# Altium PCB MB1419.PcbDoc (part 3 of 5)
Units mm, origin at the board's own origin, x right, y up, seen from the top; angles counter-clockwise.
Board outline 31 x 41 mm, 8 copper layers (Top Layer, Signal Layer 1, Signal Layer 2, Signal Layer 3, Signal Layer 4, Signal Layer 5, Signal Layer 6, Bottom Layer), stack 1.536 mm thick; 212 components, 125 nets, 637 pads, 2170 vias.
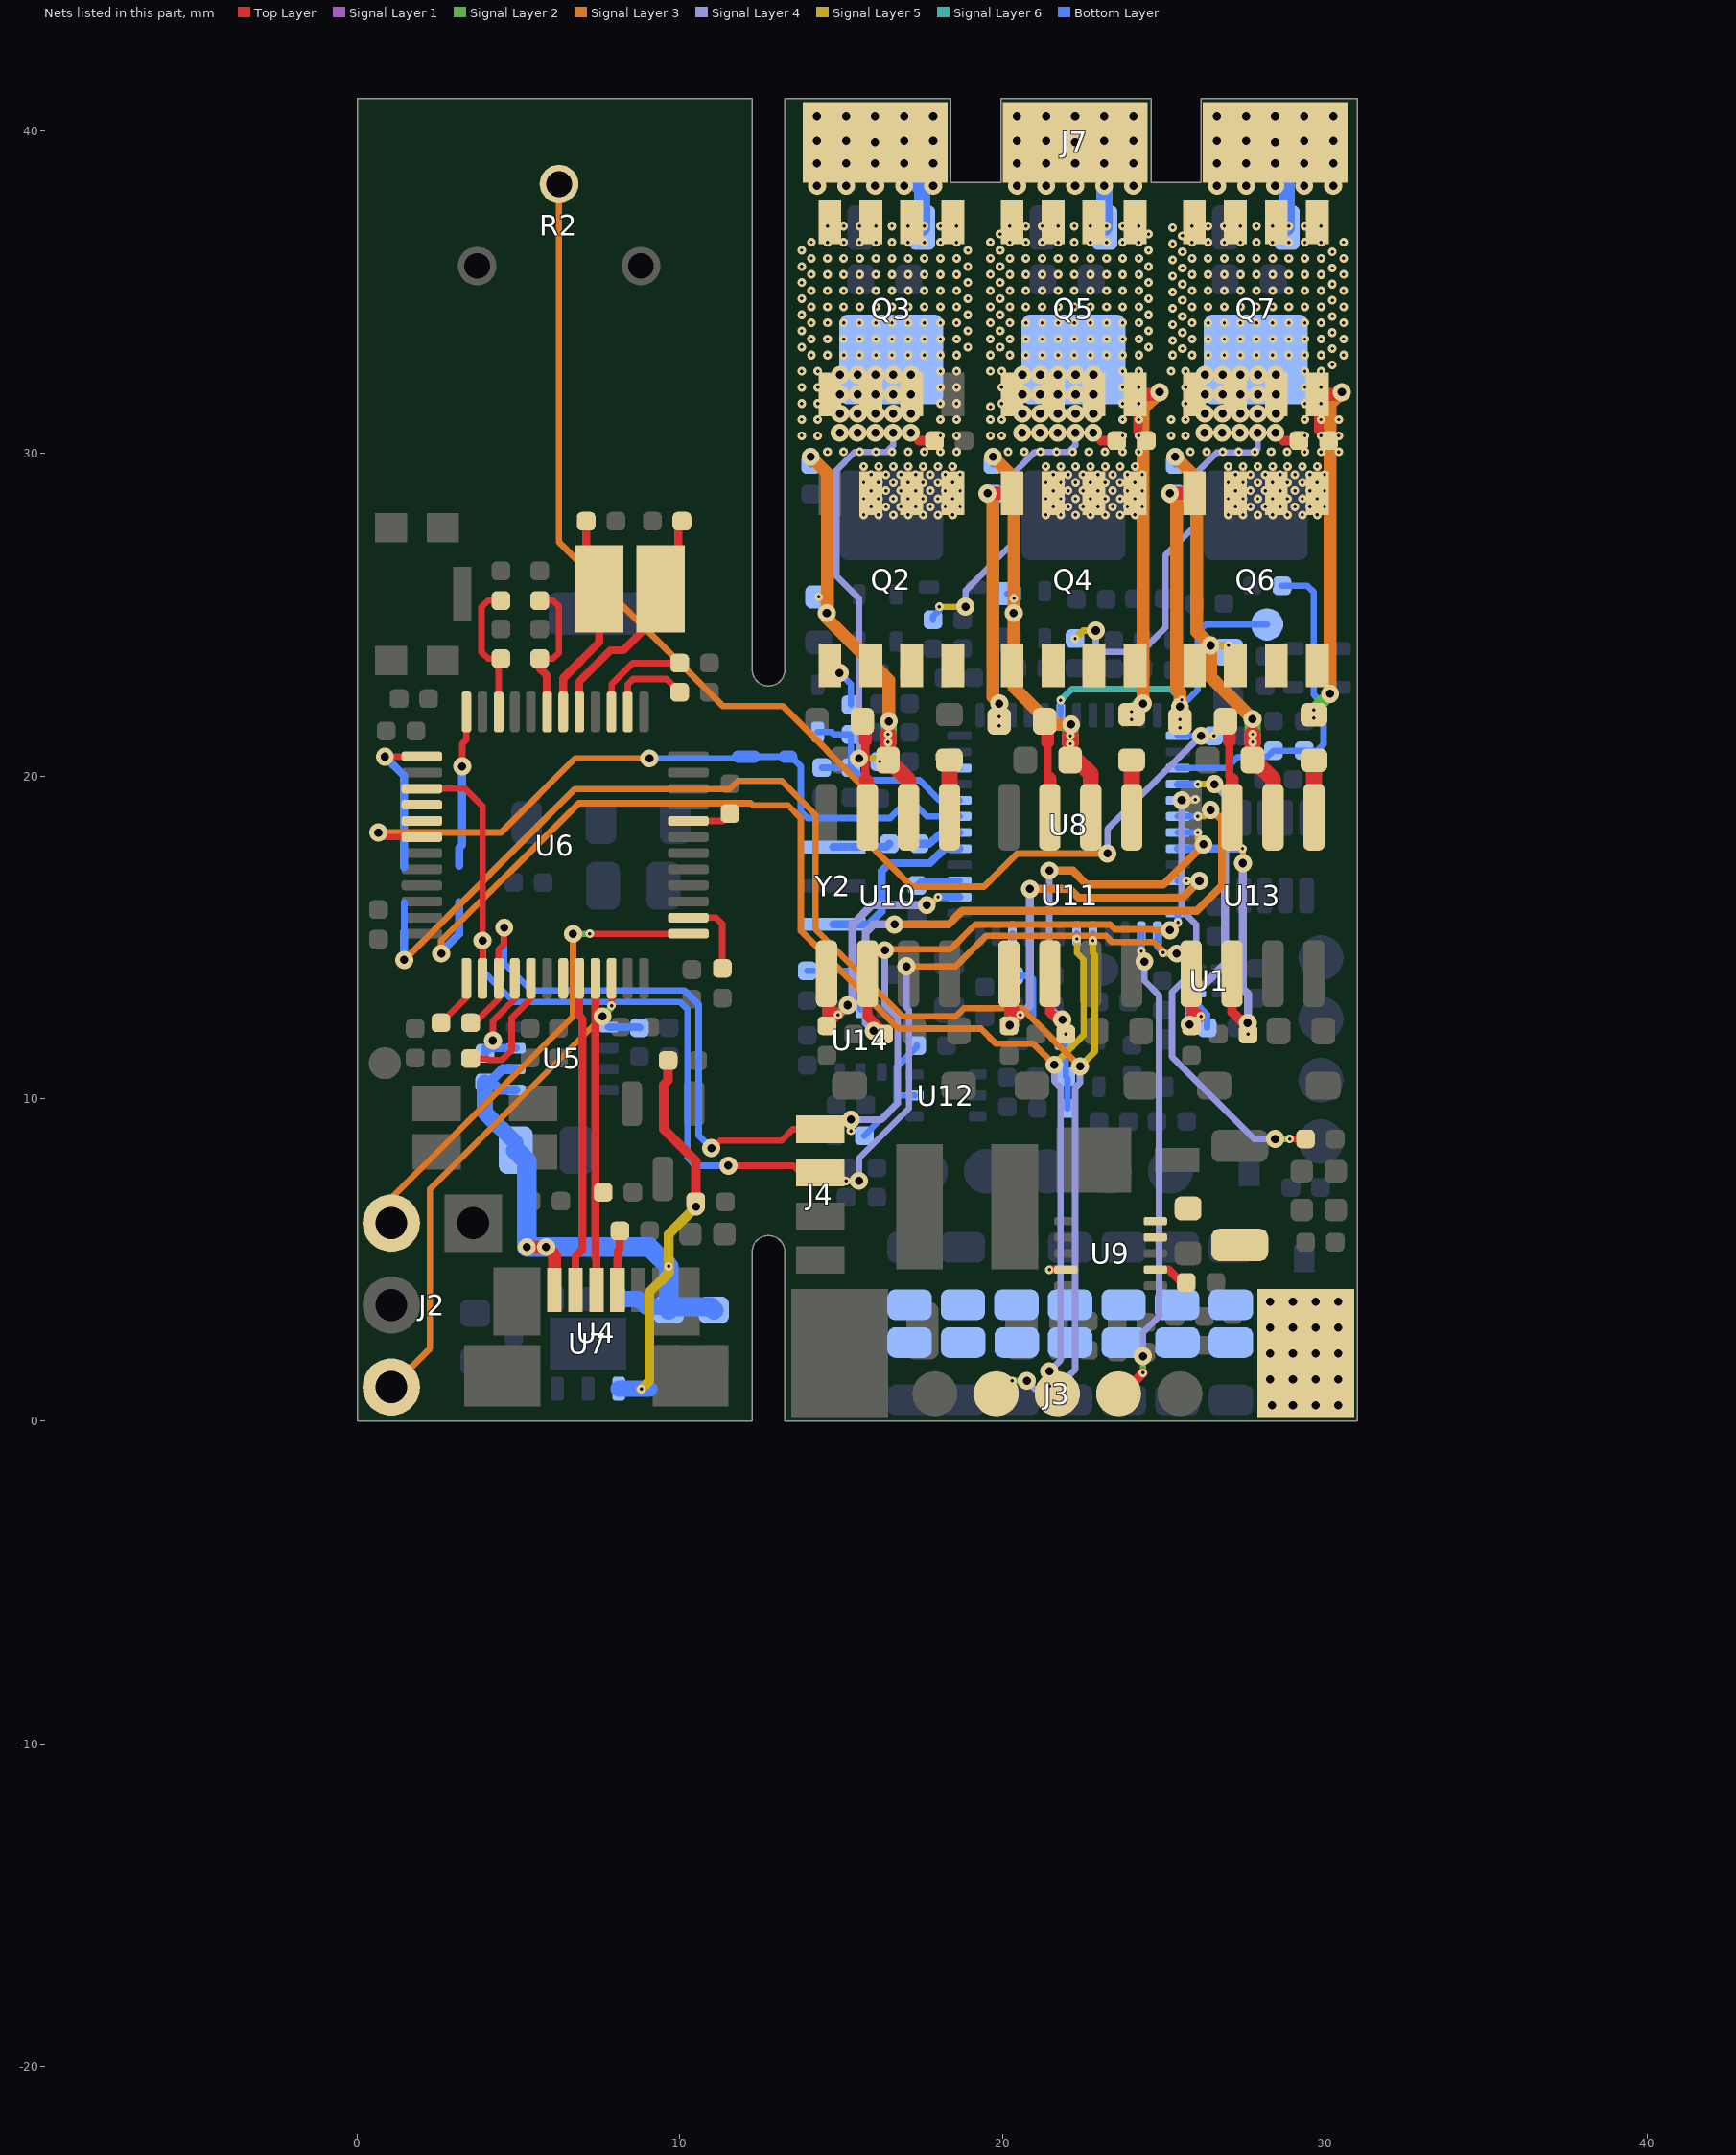
[diagram p9: the nets of this part, all layers, seen from the top]

## Via types
v1: diameter 0.27, hole 0.1, Signal Layer 6 to Bottom Layer, 499 vias
v2: diameter 0.27, hole 0.1, Signal Layer 1 to Signal Layer 2, 497 vias
v3: diameter 0.27, hole 0.1, Top Layer to Signal Layer 1, 484 vias
v4: diameter 0.27, hole 0.1, Signal Layer 5 to Signal Layer 6, 309 vias
v5: diameter 0.559, hole 0.254, Top Layer to Bottom Layer, 214 vias
v6: diameter 0.559, hole 0.254, Signal Layer 2 to Signal Layer 5, 155 vias
v7: diameter 0.254, hole 0.254, Top Layer to Bottom Layer, 12 vias

## Nets (pads, with @x,y where several pads share a name; then routed paths per layer and width w, separated by ;. In a path a pad name is that pad's centre, name@x,y a point inside that pad or via, vN(x,y) a via of type N, cw(c..) or ccw(c..) an arc to the next point about the centre after c; other vN are vias at no path point) (continued)
NetQ4_4: Q4.4 R40.2 R41.1 | length 8.4
  Top Layer w0.2: v2(19.895,21.555) R40.2@19.895,21.7
  Top Layer w0.4: v5(19.534,28.765) Q4.4@20.295,28.765
  Signal Layer 2 w0.2: v6@19.895,22.095 v6@19.9,22.1
  Signal Layer 2 w0.4: v2(19.895,21.555) v2(19.895,21.845) v6@19.895,22.095 ; v6@19.9,22.1 v6(19.9,22.25)
  Signal Layer 3 w0.4: v5(19.534,28.765) 19.7,28.599 19.7,22.45 v6(19.9,22.25)
  Bottom Layer w0.2: v5(19.534,28.765) 19.675,28.765 R41.1@19.7,28.74
  other v3: 19.895,21.555 19.895,21.845
NetQ5_4: Q5.4 R43.2 R45.1 | length 13.1
  Top Layer w0.2: v2(24,21.75) R43.2@24,21.905
  Top Layer w0.3: Q5.4@24.105,31.835 24.2,31.74 24.2,30.66 R45.1@24.46,30.4
  Top Layer w0.4: Q5.4@24.105,31.835 24.735,31.835 24.8,31.9 v5(24.866,31.9)
  Signal Layer 2 w0.4: v2(24,21.75) v2(24,22) 24.008,22.009 24.25,22.25 v6(24.35,22.25)
  Signal Layer 3 w0.4: v6(24.35,22.25) 24.35,31.384 v5(24.866,31.9)
  other v3: 24,21.75 24,22
NetQ6_4: Q6.4 R47.2 R48.1 | length 8.6
  Top Layer w0.2: v2(25.5,21.5) R47.2@25.5,21.7 R47.2@25.545,21.7
  Top Layer w0.4: v5(25.184,28.765) Q6.4@25.945,28.765
  Signal Layer 2 w0.4: v2(25.5,21.5) v2(25.5,21.75) v6(25.5,22.15)
  Signal Layer 3 w0.4: v5(25.184,28.765) 25.4,28.549 25.4,22.7 25.5,22.6 v6(25.5,22.15)
  Bottom Layer w0.2: v5(25.184,28.765) 25.325,28.765 R48.1@25.35,28.74
  other v3: 25.5,21.5 25.5,21.75
NetQ7_4: Q7.4 R50.2 R52.1 | length 13.1
  Top Layer w0.2: v2(29.65,21.8) 29.655,21.805 R50.2@29.655,21.9 R50.2@29.65,21.905 ; R52.1@30,30.51 30,30.5 30.1,30.4 R52.1@30.11,30.4
  Top Layer w0.3: Q7.4@29.755,31.835 29.8,31.79 29.8,30.71 30,30.51 R52.1@30.11,30.4
  Top Layer w0.4: Q7.4@29.755,31.835 30.385,31.835 30.45,31.9 v5(30.516,31.9)
  Signal Layer 2 w0.4: v2(29.65,21.8) v2(29.65,22.05) v6(30.15,22.55)
  Signal Layer 3 w0.4: v6@30.15,22.5 v6(30.15,22.55) 30.15,31.534 v5(30.516,31.9)
  other v3: 29.65,21.8 29.65,22.05
NetR7_2: R7.2 U4.4 | length 1.9
  Top Layer w0.25: U4.4@8.06,4.074 8.06,5.011 8.07,5.021 8.07,5.288 8.14,5.358 R7.2@8.14,5.9
NetR13_1: R13.1 U6.44 | length 1.4
  Top Layer w0.2: U6.44@10.26,18.61 11.32,18.61 R13.1@11.55,18.84
NetR14_1: R14.1 U5.5 | length 1
  Bottom Layer w0.25: U5.5@7.795,12.215 8.725,12.215 R14.1@8.74,12.2
NetR16_1: R16.1 U6.2 | length 2.7
  Top Layer w0.2: U6.2@8.38,21.99 8.38,22.847 8.54,23.007 9.583,23.007 R16.1@9.99,22.6
NetR17_1: R17.1 U6.3 | length 3.2
  Top Layer w0.2: U6.3@7.88,21.99 7.88,22.847 8.533,23.5 R17.1@9.99,23.5
NetR18_2: R18.2 U6.29 | length 3.9
  Top Layer w0.2: R18.2@3.51,11.24 4.027,11.24 4.067,11.2 4.48,11.2 4.78,11.5 4.78,12.498 5.38,13.098 U6.29@5.38,13.73
NetR19_1: R19.1 R22.1 U6.10 | length 4.4
  Top Layer w0.2: U6.10@4.38,21.99 4.38,23.57 R22.1@4.45,23.64 4.048,23.64 3.848,23.84 3.848,25.24 4.048,25.44 R19.1@4.45,25.44
NetR23_2: R23.2 U6.12 | length 4.9
  Top Layer w0.2: v5(3.25,20.3) 3.25,21.003 3.38,21.133 U6.12@3.38,21.99
  Bottom Layer w0.25: R23.2@3.15,17.22 3.15,17.767 3.25,17.867 v5(3.25,20.3)
NetR24_2: R24.2 U6.13 | length 4.8
  Top Layer w0.2: v5(0.85,20.6) 1.99,20.6 U6.13@2,20.61
  Bottom Layer w0.25: v5(0.85,20.6) 1.45,20 R24.2@1.45,17.22 1.45,17.17
NetR26_1: R26.1 U8.3 | length 1.4
  Bottom Layer w0.2: R26.1@17.35,16.61 17.49,16.75 U8.3@18.665,16.75
NetR27_1: R27.1 Y2.3 | length 1.8
  Bottom Layer w0.25: Y2.3@14.75,17.8 16.196,17.805 16.395,17.805 R27.1@16.49,17.9
NetR27_2: R27.2 U8.6 | length 1.4
  Bottom Layer w0.25: R27.2@17.41,17.9 17.721,17.9 18.121,18.25 U8.6@18.665,18.25
NetR32_1: R32.1 U9.7 | length 1.1
  Top Layer w0.25: U9.7@24.735,4.7 25.149,4.7 25.549,4.3 R32.1@25.69,4.3
NetR34_1: R34.1 U10.7 | length 3.1
  Top Layer w0.2: R34.1@15.655,21.7 R34.1@15.695,21.7
  Top Layer w0.25: 15.75,19.9 15.75,21.1
  Top Layer w0.4: R34.1@15.655,21.7 15.75,21.605 15.75,21.1 ; 15.75,19.9 15.815,19.835 U10.7@15.815,18.725
NetR38_1: R38.1 U10.5 | length 1.8
  Top Layer w0.5: R38.1@18.35,20.495 18.355,20.49 U10.5@18.355,18.725
NetR40_1: R40.1 U11.7 | length 3
  Top Layer w0.25: 21.4,21.05 21.4,19.984 21.465,19.919
  Top Layer w0.4: R40.1@21.305,21.7 21.4,21.605 21.4,21.05 ; U11.7@21.465,18.725 21.465,19.919
NetR42_1: R42.1 R46.1 U12.2 | length 4
  Bottom Layer w0.2: R42.1@15.71,8.85 16.715,9.855 16.715,10.1 ; U12.2@17.275,10.1 16.715,10.1 ; R46.1@17.34,11.65 17.34,11.604 16.715,10.979 16.715,10.1
NetR43_1: R43.1 U11.5 | length 1.8
  Top Layer w0.5: R43.1@24,20.495 24.005,20.49 U11.5@24.005,18.725
NetR47_1: R47.1 U13.7 | length 3.1
  Top Layer w0.25: 27.03,21.081 27.03,19.985 27.115,19.9
  Top Layer w0.4: R47.1@26.91,21.7 26.955,21.7 27.03,21.625 27.03,21.081 ; U13.7@27.115,18.725 27.115,19.9
NetR49_1: R49.1 R53.1 U14.2 | length 3
  Bottom Layer w0.2: R49.1@13.95,13.96 15.63,13.96 R53.1@15.74,13.85 15.632,13.742 15.632,13.314 15.6,13.282 U14.2@15.6,12.775
NetR50_1: R50.1 U13.5 | length 1.8
  Top Layer w0.5: U13.5@29.655,18.725 R50.1@29.655,20.49
NetU8_5: U8.5 Y2.1 | length 5.6
  Bottom Layer w0.25: Y2.1@14.75,15.4 15.85,15.4 16.25,15.8 16.25,17.05 16.5,17.3 17.75,17.3 18.2,17.75 U8.5@18.665,17.75
OP1_OUT: U8.10 | length 0.9
  Bottom Layer w0.2: 18.005,20.65 18.005,20.54 18.295,20.25 U8.10@18.665,20.25
OP2_OUT: U8.14
OP3_OUT: TP3.1 U8.18 | length 9.2
  Signal Layer 6 w0.2: v1(21.8,22.35) 22.15,22.7 25.21,22.7 v1(25.55,22.36)
  Bottom Layer w0.2: U8.18@21.8,21.885 v1(21.8,22.35) ; v1(25.55,22.36) 25.56,22.37 25.75,22.37 26.05,22.67 26.05,24.45 26.3,24.7 TP3.1@28.2,24.7
OSC_IN: C11.2 U6.5 Y1.1 | length 7.5
  Top Layer w0.25: U6.5@6.88,21.99 6.88,22.93 7.85,23.9 8.25,23.9 8.8,24.45 8.8,25.3 9.3,25.8 Y1.1@9.4,25.8 9.4,25.9 9.95,26.45 9.95,27.79 C11.2@10.06,27.9
OSC_OUT: C10.2 U6.6 Y1.2 | length 6.6
  Top Layer w0.25: U6.6@6.38,21.99 6.38,23.03 7.5,24.15 Y1.2@7.5,25.8 7.34,25.8 7.09,26.05 C10.2@7.09,27.9
OUT1: C43.2 J7.3 Q2.1 Q2.2 Q2.3 Q3.5 Q3.6 Q3.7 Q3.8 R35.2 R37.1 R61.1 U10.6 | length 20.5
  Top Layer w0.5: C43.2@16.445,20.5 C43.2@16.45,20.5 ; v2(16.45,21.3) v2(16.45,21.05) C43.2@16.45,20.5 ; U10.6@17.085,18.025 U10.6@17.085,18.725 17.085,19.865 C43.2@16.45,20.5
  Signal Layer 1 w0.2: v5(14.25,39.7) 14.75,39.7 14.75,39.694 14.706,39.65 ; 14.85,39.65 J7.3@16.05,39.65
  Signal Layer 2 w0.5: v2(16.45,21.05) v2(16.45,21.3) 16.474,21.324 v6(16.474,21.7)
  Signal Layer 3 w0.2: v6(14.55,25.05) 14.55,24.9 v6@14.571,24.879 ; 14.55,25.5 14.571,25.521 14.65,25.6 14.65,26.221 14.571,26.3
  Signal Layer 3 w0.4: v5(14.05,29.9) 14.571,29.379 14.571,26.3 14.571,25.521 14.571,24.879 16.474,22.976 v6(16.474,21.7)
  Signal Layer 5 w0.2: v4(14.3,25.555) 14.445,25.41 14.445,25.155 v6(14.55,25.05)
  Bottom Layer w0.2: R35.2@14.05,29.66 v5(14.05,29.9) ; v4(14.3,25.555) 14.355,25.5 14.445,25.5 R61.1@14.45,25.495
  Bottom Layer w0.5: J7.3@16.05,39.65 16.825,38.875 17.175,38.525 17.51,38.19 R37.1@17.51,37
  other v1: 14.3,25.555
  other v2: 14.573,30.05 15.073,30.05 15.573,30.05 16.073,30.05 16.573,30.05 17.073,30.05 17.573,30.05 18.073,30.05 18.573,30.05 13.773,30.55 14.273,30.55 18.073,30.55 18.573,30.55 13.773,31.05 14.273,31.05 18.073,31.05 18.573,31.05 13.773,31.55 14.273,31.55 18.073,31.55 18.573,31.55 13.773,32.05 14.273,32.05 18.073,32.05 18.573,32.05 13.773,32.55 14.273,32.55 18.073,32.55 18.573,32.55 14.073,33.05 14.573,33.05 15.073,33.05 15.573,33.05 16.073,33.05 16.573,33.05 17.073,33.05 17.573,33.05 18.073,33.05 18.573,33.05 13.773,33.3 18.923,33.3 14.073,33.55 14.573,33.55 15.073,33.55 15.573,33.55 16.073,33.55 16.573,33.55 17.073,33.55 17.573,33.55 18.073,33.55 18.573,33.55 13.773,33.8 18.923,33.8 14.073,34.05 14.573,34.05 15.073,34.05 15.573,34.05 16.073,34.05 16.573,34.05 17.073,34.05 17.573,34.05 18.073,34.05 18.573,34.05 13.773,34.3 18.923,34.3 14.073,34.55 14.573,34.55 15.073,34.55 15.573,34.55 16.073,34.55 16.573,34.55 17.073,34.55 17.573,34.55 18.073,34.55 18.573,34.55 13.773,34.8 18.923,34.8 14.073,35.05 14.573,35.05 15.073,35.05 15.573,35.05 16.073,35.05 16.573,35.05 17.073,35.05 17.573,35.05 18.073,35.05 18.573,35.05 13.773,35.3 18.923,35.3 14.073,35.55 14.573,35.55 15.073,35.55 15.573,35.55 16.073,35.55 16.573,35.55 17.073,35.55 17.573,35.55 18.073,35.55 18.573,35.55 13.773,35.8 18.923,35.8 14.073,36.05 14.573,36.05 15.073,36.05 15.573,36.05 16.073,36.05 16.573,36.05 17.073,36.05 17.573,36.05 18.073,36.05 18.573,36.05 13.773,36.3 18.923,36.3 14.073,36.55 14.573,36.55 15.073,36.55 15.573,36.55 16.073,36.55 16.573,36.55 17.073,36.55 17.573,36.55 18.073,36.55 18.573,36.55 14.573,37.05 15.073,37.05 15.573,37.05 16.073,37.05 16.573,37.05 17.073,37.05 17.573,37.05 18.073,37.05 18.573,37.05
  other v3: 16.45,21.05 16.45,21.3 15.692,28.097 16.153,28.097 16.612,28.097 17.073,28.097 17.532,28.097 17.992,28.097 18.453,28.097 15.923,28.347 16.382,28.347 16.842,28.347 17.303,28.347 17.762,28.347 18.222,28.347 18.683,28.347 15.692,28.597 16.153,28.597 16.612,28.597 17.073,28.597 17.532,28.597 17.992,28.597 18.453,28.597 15.923,28.847 16.382,28.847 16.842,28.847 17.303,28.847 17.762,28.847 18.222,28.847 18.683,28.847 15.692,29.097 16.153,29.097 16.612,29.097 17.073,29.097 17.532,29.097 17.992,29.097 18.453,29.097 15.923,29.347 16.382,29.347 16.842,29.347 17.303,29.347 17.762,29.347 18.222,29.347 18.683,29.347 15.692,29.597 16.153,29.597 16.612,29.597 17.073,29.597 17.532,29.597 17.992,29.597 18.453,29.597 14.573,33.55 15.073,33.55 15.573,33.55 16.073,33.55 16.573,33.55 17.073,33.55 17.573,33.55 18.073,33.55 18.573,33.55 14.573,34.05 15.073,34.05 15.573,34.05 16.073,34.05 16.573,34.05 17.073,34.05 17.573,34.05 18.073,34.05 18.573,34.05 14.573,34.55 15.073,34.55 15.573,34.55 16.073,34.55 16.573,34.55 17.073,34.55 17.573,34.55 18.073,34.55 18.573,34.55 14.573,35.05 15.073,35.05 15.573,35.05 16.073,35.05 16.573,35.05 17.073,35.05 17.573,35.05 18.073,35.05 18.573,35.05 14.573,35.55 15.073,35.55 15.573,35.55 16.073,35.55 16.573,35.55 17.073,35.55 17.573,35.55 18.073,35.55 18.573,35.55 14.573,36.05 15.073,36.05 15.573,36.05 16.073,36.05 16.573,36.05 17.073,36.05 17.573,36.05 18.073,36.05 18.573,36.05 14.573,36.55 15.073,36.55 15.573,36.55 16.073,36.55 16.573,36.55 17.073,36.55 17.573,36.55 18.073,36.55 18.573,36.55 14.573,37.05 15.073,37.05 15.573,37.05 16.073,37.05 16.573,37.05 17.073,37.05 17.573,37.05 18.073,37.05 18.573,37.05
  other v5: 14.25,38.3 15.15,38.3 16.05,38.3 16.95,38.3 17.85,38.3 14.25,39 15.15,39 16.05,39 16.95,39 17.85,39 15.15,39.7 16.95,39.7 17.85,39.7 14.25,40.45 15.15,40.45 16.05,40.45 16.95,40.45 17.85,40.45
OUT2: C52.2 J7.2 Q4.1 Q4.2 Q4.3 Q5.5 Q5.6 Q5.7 Q5.8 R41.2 R44.1 R62.1 U11.6 | length 18.1
  Top Layer w0.5: C52.2@22.095,20.5 C52.2@22.1,20.5 ; v2(22.1,21.25) v2(22.1,21) C52.2@22.1,20.5 ; U11.6@22.735,18.725 22.735,20.065 22.3,20.5 C52.2@22.1,20.5
  Signal Layer 2 w0.5: v2(22.1,21) 22.1,21.3 22.1,21.576 v6(22.124,21.6)
  Signal Layer 3 w0.2: v6(20.345,25.055) 20.345,25.995 20.35,26
  Signal Layer 3 w0.4: v5(19.7,29.9) 20.35,29.25 20.35,26 20.35,22.75 21.5,21.6 v6(22.124,21.6)
  Signal Layer 5 w0.2: v6(20.345,25.055) 20.345,25.5 v4(20.35,25.505)
  Bottom Layer w0.2: R41.2@19.7,29.66 v5(19.7,29.9) ; R62.1@20.15,25.655 20.2,25.655 v4(20.35,25.505)
  Bottom Layer w0.5: J7.2@22.25,39.65 23.025,38.875 23.16,38.74 R44.1@23.16,37
  other v1: 20.35,25.505
  other v2: 20.173,30.05 20.673,30.05 21.173,30.05 21.673,30.05 22.173,30.05 22.673,30.05 23.173,30.05 23.723,30.05 24.223,30.05 19.623,30.55 19.973,30.55 23.723,30.55 24.223,30.55 19.623,31.05 19.973,31.05 23.723,31.05 24.223,31.05 19.623,31.45 19.973,31.55 23.723,31.55 24.223,31.55 19.973,32.05 23.723,32.05 24.223,32.05 19.623,32.55 19.973,32.55 23.723,32.55 24.223,32.55 19.623,33.05 20.223,33.05 20.723,33.05 21.223,33.05 21.723,33.05 22.223,33.05 22.723,33.05 23.223,33.05 23.723,33.05 24.223,33.05 19.923,33.3 24.523,33.3 19.623,33.55 20.223,33.55 20.723,33.55 21.223,33.55 21.723,33.55 22.223,33.55 22.723,33.55 23.223,33.55 23.723,33.55 24.223,33.55 19.923,33.8 24.523,33.8 19.623,34.05 20.223,34.05 20.723,34.05 21.223,34.05 21.723,34.05 22.223,34.05 22.723,34.05 23.223,34.05 23.723,34.05 24.223,34.05 19.923,34.3 24.523,34.3 19.623,34.55 20.223,34.55 20.723,34.55 21.223,34.55 21.723,34.55 22.223,34.55 22.723,34.55 23.223,34.55 23.723,34.55 24.223,34.55 19.923,34.8 24.523,34.8 19.623,35.05 20.223,35.05 20.723,35.05 21.223,35.05 21.723,35.05 22.223,35.05 22.723,35.05 23.223,35.05 23.723,35.05 24.223,35.05 19.923,35.3 24.523,35.3 19.623,35.55 20.223,35.55 20.723,35.55 21.223,35.55 21.723,35.55 22.223,35.55 22.723,35.55 23.223,35.55 23.723,35.55 24.223,35.55 19.923,35.8 24.523,35.8 19.623,36.05 20.223,36.05 20.723,36.05 21.223,36.05 21.723,36.05 22.223,36.05 22.723,36.05 23.223,36.05 23.723,36.05 24.223,36.05 19.923,36.3 24.523,36.3 19.623,36.55 20.223,36.55 20.723,36.55 21.223,36.55 21.723,36.55 22.223,36.55 22.723,36.55 23.223,36.55 23.723,36.55 24.223,36.55 19.923,36.8 24.523,36.8 20.223,37.05 20.723,37.05 21.223,37.05 21.723,37.05 22.223,37.05 22.723,37.05 23.223,37.05 23.723,37.05 24.223,37.05
  other v3: 22.1,21 22.1,21.25 21.342,28.097 21.802,28.097 22.263,28.097 22.722,28.097 23.182,28.097 23.643,28.097 24.102,28.097 21.572,28.347 22.032,28.347 22.493,28.347 22.952,28.347 23.413,28.347 23.872,28.347 24.332,28.347 21.342,28.597 21.802,28.597 22.263,28.597 22.722,28.597 23.182,28.597 23.643,28.597 24.102,28.597 21.572,28.847 22.032,28.847 22.493,28.847 22.952,28.847 23.413,28.847 23.872,28.847 24.332,28.847 21.342,29.097 21.802,29.097 22.263,29.097 22.722,29.097 23.182,29.097 23.643,29.097 24.102,29.097 21.572,29.347 22.032,29.347 22.493,29.347 22.952,29.347 23.413,29.347 23.872,29.347 24.332,29.347 21.342,29.597 21.802,29.597 22.263,29.597 22.722,29.597 23.182,29.597 23.643,29.597 24.102,29.597 20.223,33.55 20.723,33.55 21.223,33.55 21.723,33.55 22.223,33.55 22.723,33.55 23.223,33.55 23.723,33.55 24.223,33.55 20.223,34.05 20.723,34.05 21.223,34.05 21.723,34.05 22.223,34.05 22.723,34.05 23.223,34.05 23.723,34.05 24.223,34.05 20.223,34.55 20.723,34.55 21.223,34.55 21.723,34.55 22.223,34.55 22.723,34.55 23.223,34.55 23.723,34.55 24.223,34.55 20.223,35.05 20.723,35.05 21.223,35.05 21.723,35.05 22.223,35.05 22.723,35.05 23.223,35.05 23.723,35.05 24.223,35.05 20.223,35.55 20.723,35.55 21.223,35.55 21.723,35.55 22.223,35.55 22.723,35.55 23.223,35.55 23.723,35.55 24.223,35.55 19.923,35.8 24.523,35.8 19.623,36.05 20.223,36.05 20.723,36.05 21.223,36.05 21.723,36.05 22.223,36.05 22.723,36.05 23.223,36.05 23.723,36.05 24.223,36.05 19.923,36.3 24.523,36.3 19.623,36.55 20.223,36.55 20.723,36.55 21.223,36.55 21.723,36.55 22.223,36.55 22.723,36.55 23.223,36.55 23.723,36.55 24.223,36.55 19.923,36.8 24.523,36.8 20.223,37.05 20.723,37.05 21.223,37.05 21.723,37.05 22.223,37.05 22.723,37.05 23.223,37.05 23.723,37.05 24.223,37.05
  other v5: 20.45,38.3 21.35,38.3 22.25,38.3 23.15,38.3 24.05,38.3 20.45,39 21.35,39 22.25,39 23.15,39 24.05,39 20.45,39.7 21.35,39.7 23.15,39.7 24.05,39.7 20.45,40.45 21.35,40.45 22.25,40.45 23.15,40.45 24.05,40.45
OUT3: C58.2 J7.1 Q6.1 Q6.2 Q6.3 Q7.5 Q7.6 Q7.7 Q7.8 R48.2 R51.1 R63.1 U13.6 | length 16.5
  Top Layer w0.5: C58.2@27.745,20.5 C58.2@27.75,20.5 ; v2(27.75,21.3) v2(27.75,21.05) C58.2@27.75,20.5 ; U13.6@28.385,18.725 28.385,19.9 27.785,20.5 C58.2@27.75,20.5
  Signal Layer 2 w0.5: v2(27.75,21.05) v2(27.75,21.3) v6(27.75,21.766)
  Signal Layer 3 w0.4: v5(25.35,29.9) 26.021,29.229 26.021,24.479 v6(26.45,24.05) 26.45,23.066 v6(27.75,21.766)
  Signal Layer 5 w0.2: v6(26.45,24.05) v4(27,24.05)
  Bottom Layer w0.2: R48.2@25.35,29.66 v5(25.35,29.9) ; R63.1@27,23.845 v4(27,24.05) ; v5(28.45,39) J7.1@28.45,39.65
  Bottom Layer w0.5: v5(28.45,39) 28.45,38.906 28.753,38.603 28.81,38.546 R51.1@28.81,37
  other v1: 27,24.05
  other v2: 25.823,30.05 26.323,30.05 26.823,30.05 27.323,30.05 27.823,30.05 28.323,30.05 28.823,30.05 29.373,30.05 29.873,30.05 30.423,30.05 25.223,30.55 25.673,30.55 29.373,30.55 29.873,30.55 30.423,30.55 25.223,31.05 25.673,31.05 29.373,31.05 29.873,31.05 30.423,31.05 25.673,31.55 29.373,31.55 29.873,31.55 25.673,32.05 29.373,32.05 29.873,32.05 25.223,32.55 25.673,32.55 29.373,32.55 29.873,32.55 30.223,32.75 25.273,33.05 25.873,33.05 26.373,33.05 26.873,33.05 27.373,33.05 27.873,33.05 28.373,33.05 28.873,33.05 29.373,33.05 29.873,33.05 30.573,33.05 25.573,33.25 30.223,33.25 25.273,33.5 25.873,33.55 26.373,33.55 26.873,33.55 27.373,33.55 27.873,33.55 28.373,33.55 28.873,33.55 29.373,33.55 29.873,33.55 30.573,33.55 25.573,33.75 30.223,33.75 25.273,34 25.873,34.05 26.373,34.05 26.873,34.05 27.373,34.05 27.873,34.05 28.373,34.05 28.873,34.05 29.373,34.05 29.873,34.05 30.573,34.05 25.573,34.25 30.223,34.25 25.273,34.5 25.873,34.55 26.373,34.55 26.873,34.55 27.373,34.55 27.873,34.55 28.373,34.55 28.873,34.55 29.373,34.55 29.873,34.55 30.573,34.55 25.573,34.75 30.223,34.75 25.273,35 25.873,35.05 26.373,35.05 26.873,35.05 27.373,35.05 27.873,35.05 28.373,35.05 28.873,35.05 29.373,35.05 29.873,35.05 30.573,35.05 25.573,35.25 30.223,35.25 25.273,35.5 25.873,35.55 26.373,35.55 26.873,35.55 27.373,35.55 27.873,35.55 28.373,35.55 28.873,35.55 29.373,35.55 29.873,35.55 30.573,35.55 25.573,35.75 30.223,35.75 25.273,36 25.873,36.05 26.373,36.05 26.873,36.05 27.373,36.05 27.873,36.05 28.373,36.05 28.873,36.05 29.373,36.05 29.873,36.05 30.573,36.05 25.573,36.25 30.223,36.25 25.273,36.5 25.873,36.55 26.373,36.55 26.873,36.55 27.373,36.55 27.873,36.55 28.373,36.55 28.873,36.55 29.373,36.55 29.873,36.55 30.573,36.55 25.573,36.75 25.273,37 25.873,37.05 26.373,37.05 26.873,37.05 27.373,37.05 27.873,37.05 28.373,37.05 28.873,37.05 29.373,37.05 29.873,37.05